# Altium PCB MC3.PcbDoc (part 2 of 4)
Units mil, origin at the board's own origin, x right, y up, seen from the top; angles counter-clockwise.
Board outline 10260 x 7630 mil, 2 copper layers (Top Layer, Bottom Layer), stack 61.756 mil thick; 351 components, 225 nets, 961 pads, 410 vias.
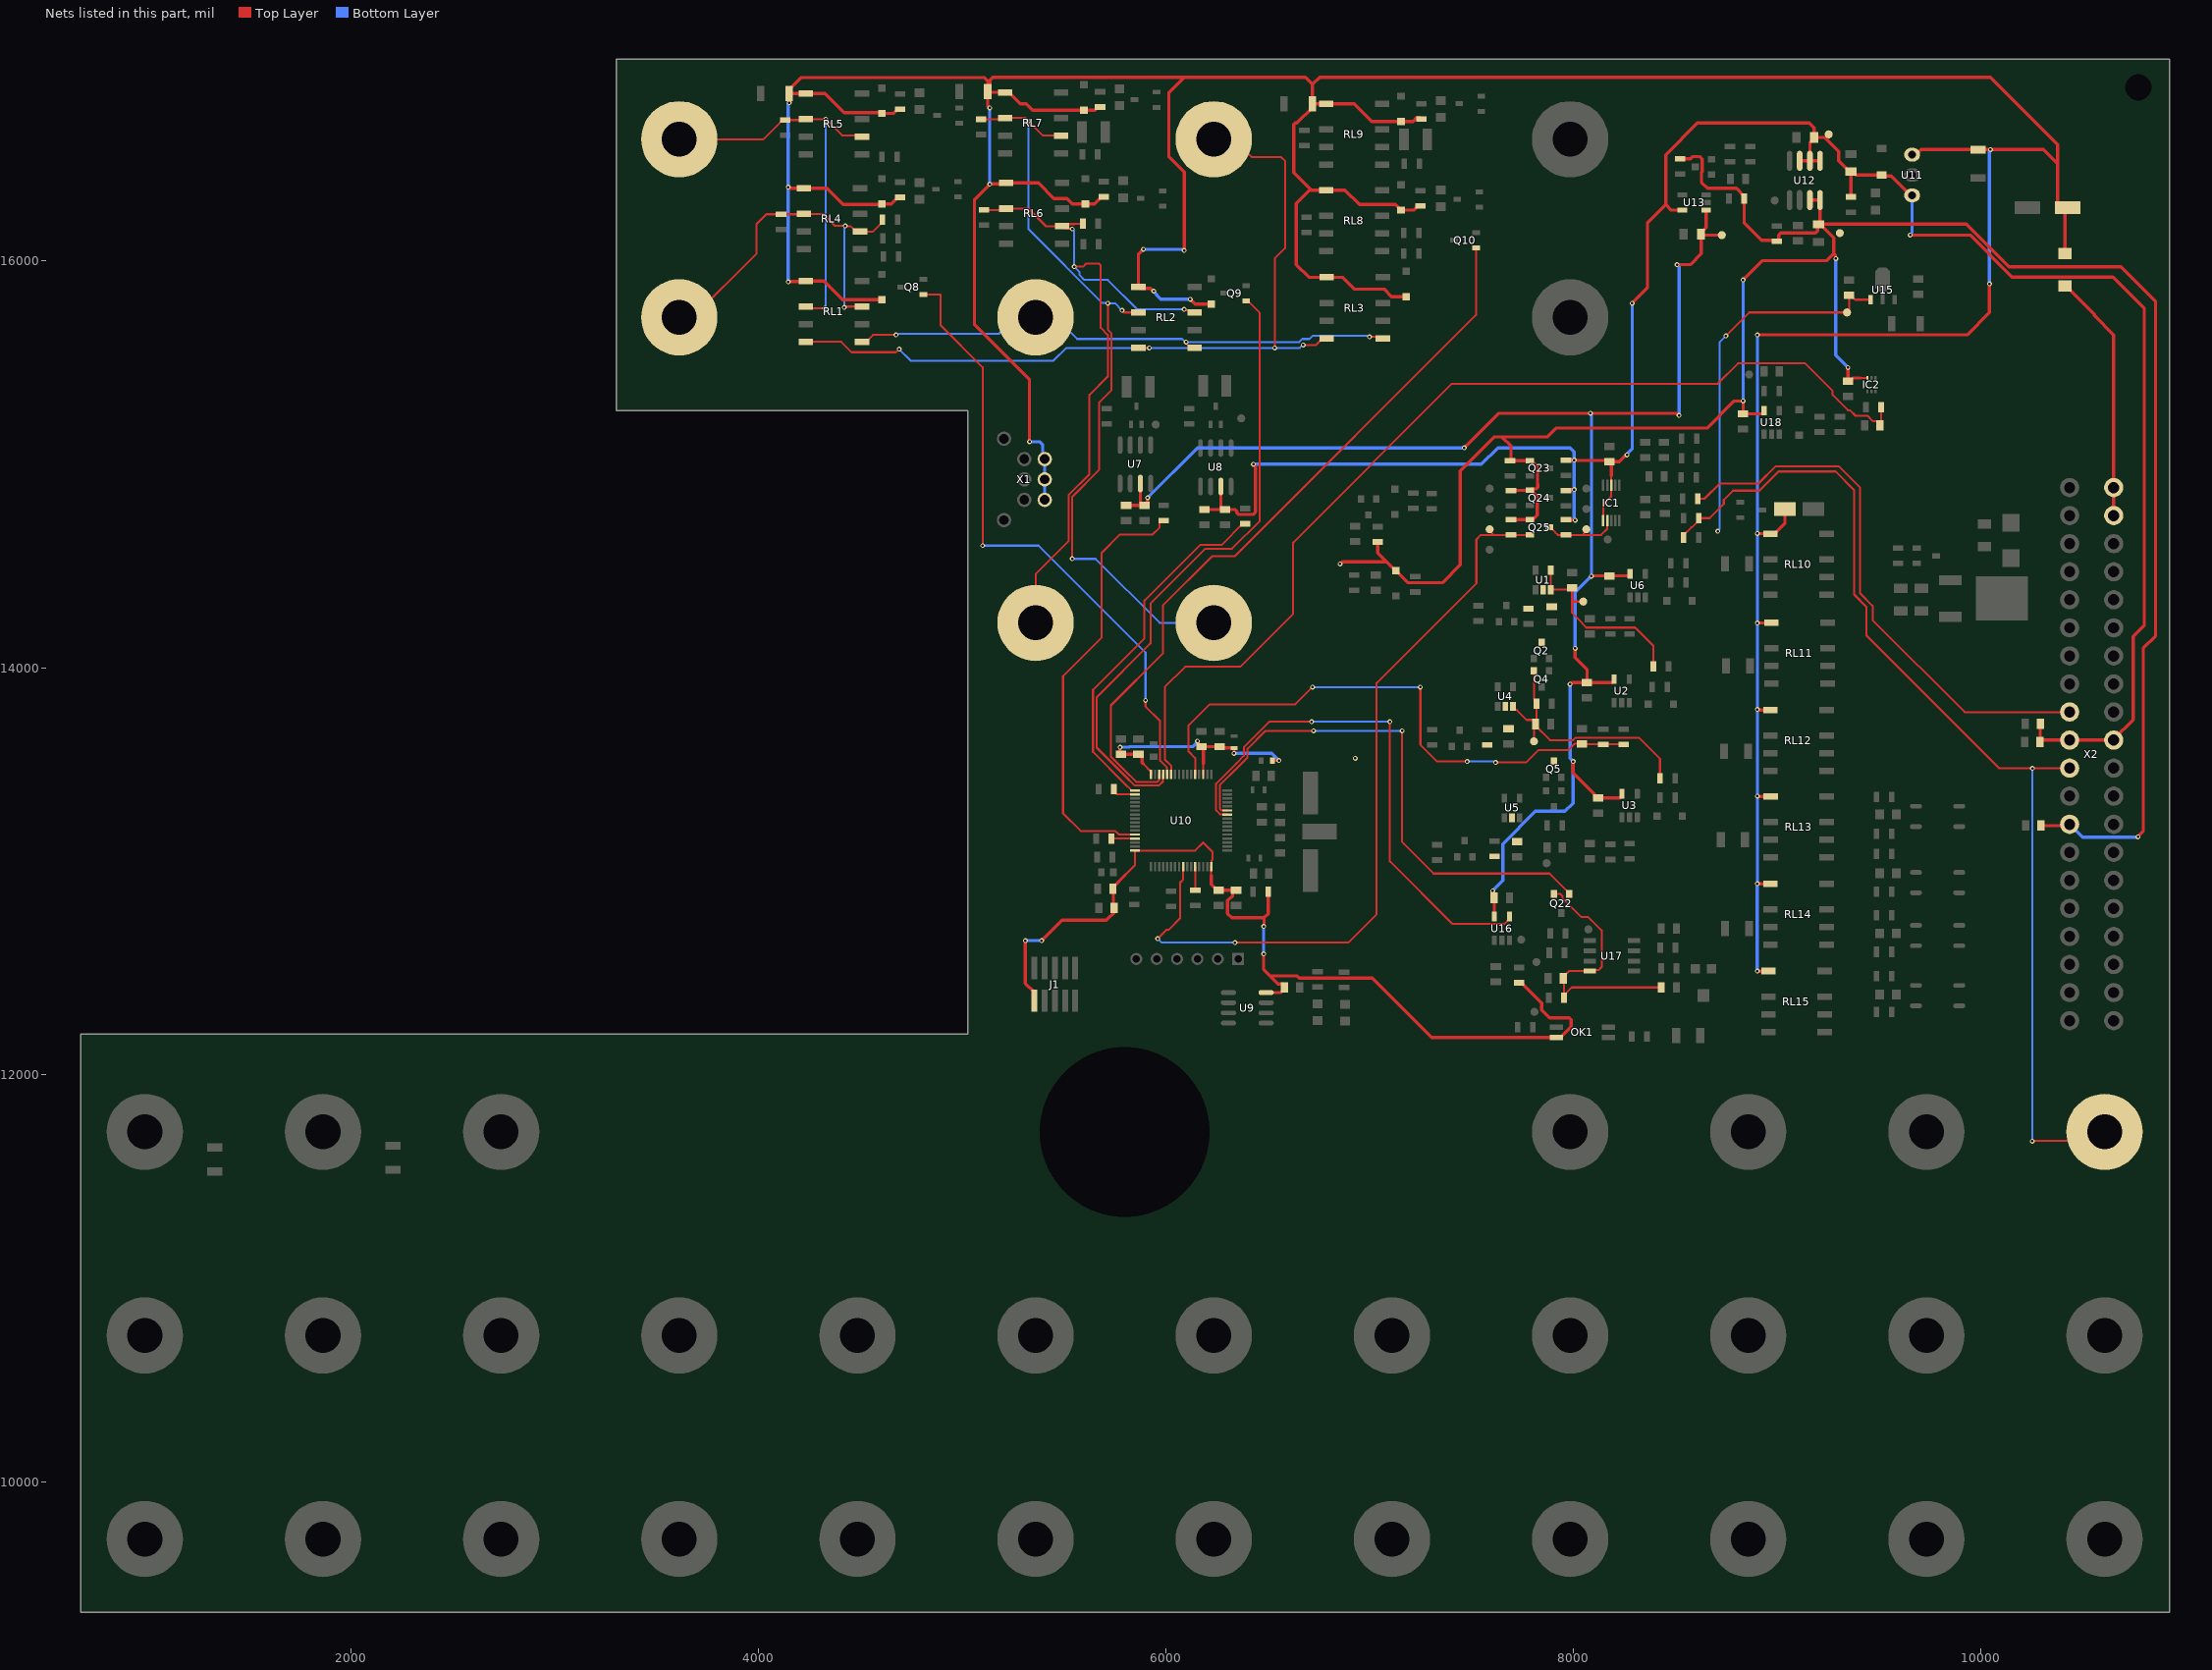
[diagram p2: the nets of this part, all layers, seen from the top]

## Part data (continued)
C34 C35: library part 08051A200JAT2A, "AVX - 08051A200JAT2A - CERAMIC CAPACITOR 20PF 100V, C0G, 5%, 0805, FULL REEL", Case Code (Imperial)=0805, Case Code (Metric)=2012, Dielectric=C0G, Manufacturer="Kyocera AVX", Max Operating Temperature=125°C, Min Operating Temperature=-55°C, Package Quantity=1, Supplier Part Number 1=581-08051A200JAT2A, Temperature Coefficient=30ppm/°C, Tolerance=5%, Voltage=100V, Capacitance=20pF, Case/Package=0805, Category="Ceramic Capacitors", ComponentLink1Description=https://datasheet.ciiva.com/11787/0900766b80def0e2-11787350.pdf?src-supplier=RSComponents, ComponentLink1URL=https://datasheet.ciiva.com/11787/0900766b80def0e2-11787350.pdf?src-supplier=RSComponents, ComponentLink2Description=https://datasheet.ciiva.com/26927/getdatasheetpartid-58326-26927326.pdf?src-supplier=Verical, ComponentLink2URL=https://datasheet.ciiva.com/26927/getdatasheetpartid-58326-26927326.pdf?src-supplier=Verical, ComponentLink3Description=https://datasheet.ciiva.com/11536/ccog-11536935.pdf?src-supplier=Avnet, ComponentLink3URL=https://datasheet.ciiva.com/11536/ccog-11536935.pdf?src-supplier=Avnet, ComponentLink4Description=https://datasheet.ciiva.com/151/ccog-151320.pdf?src-supplier=Digi-Key, ComponentLink4URL=https://datasheet.ciiva.com/151/ccog-151320.pdf?src-supplier=Digi-Key, ComponentLink5Description=https://datasheet.ciiva.com/151/ccog-151321.pdf?src-supplier=Digi-Key, ComponentLink5URL=https://datasheet.ciiva.com/151/ccog-151321.pdf?src-supplier=Digi-Key, ComponentLink6Description=https://datasheet.ciiva.com/28535/759117-28535065.pdf?src-supplier=Element14, ComponentLink6URL=https://datasheet.ciiva.com/28535/759117-28535065.pdf?src-supplier=Element14, ComponentLink7Description=https://datasheet.ciiva.com/151/ccog-151322.pdf?src-supplier=Digi-Key, ComponentLink7URL=https://datasheet.ciiva.com/151/ccog-151322.pdf?src-supplier=Digi-Key, ComponentLink8Description=https://datasheet.ciiva.com/14606/70001039-14606635.pdf?src-supplier=Allied+Electronics, ComponentLink8URL=https://datasheet.ciiva.com/14606/70001039-14606635.pdf?src-supplier=Allied+Electronics, ComponentLink9Description=https://datasheet.ciiva.com/14595/70001039-14595420.pdf?src-supplier=Allied+Electronics, ComponentLink9URL=https://datasheet.ciiva.com/14595/70001039-14595420.pdf?src-supplier=Allied+Electronics, ComponentLink10Description=https://datasheet.ciiva.com/2987/ccog-2987917.pdf?src-supplier=Avnet, ComponentLink10URL=https://datasheet.ciiva.com/2987/ccog-2987917.pdf?src-supplier=Avnet, ComponentLink11Description=https://datasheet.ciiva.com/17492/ccog-17492879.pdf?src-supplier=Avnet+Europe, ComponentLink11URL=https://datasheet.ciiva.com/17492/ccog-17492879.pdf?src-supplier=Avnet+Europe, Contact Plating=Tin,Matte, Depth=1.25mm, Dissipation Factor=10%, Height=940um, Lead Free="Lead Free", Length=2.01mm, Manufacturer Part Number=08051A200JAT2A, Mount="Surface Mount,PCB", Number of Pins=2, Packaging="Tape and Reel", Pricing 1="1=0.29000, 10=0.19900, 100=0.10000, 500=0.06900, 1000=0.06100, 2000=0.06100 (USD)", Radiation Hardening=No, REACH SVHC="No SVHC", RoHS=Yes, Stock 1=29281, Supplier 1=Mouser, Termination=SMD/SMT, Thickness=0.037inch, Voltage Rating=100V, Voltage Rating (DC)=100V, Width=1.25mm
C38 C45: library part C0603C105K8PACTU, "Cap Ceramic 1uF 10V X5R 10% SMD 0603 85°C Paper T/R", Capacitance=1uF, Case Code (Imperial)=0603, Case Code (Metric)=1608, Dielectric=X5R, Dielectric Material=Ceramic, Manufacturer=KEMET, Max Operating Temperature=85°C, Min Operating Temperature=-55°C, Package Quantity=1, Supplier Part Number 1=80-C0603C105K8P, Tolerance=10%, Voltage=10V, Case/Package=0603, Category="Ceramic Capacitors", ComponentLink1Description=https://datasheet.ciiva.com/11787/0900766b8116eb59-11787747.pdf?src-supplier=RSComponents, ComponentLink1URL=https://datasheet.ciiva.com/11787/0900766b8116eb59-11787747.pdf?src-supplier=RSComponents, ComponentLink2Description=https://datasheet.ciiva.com/7823/1929483-7823999.pdf?src-supplier=Element14, ComponentLink2URL=https://datasheet.ciiva.com/7823/1929483-7823999.pdf?src-supplier=Element14, ComponentLink3Description=https://datasheet.ciiva.com/6074/40889-6074647.pdf?src-supplier=Farnell, ComponentLink3URL=https://datasheet.ciiva.com/6074/40889-6074647.pdf?src-supplier=Farnell, ComponentLink4Description=https://datasheet.ciiva.com/28645/1831760-28645655.pdf?src-supplier=Element14, ComponentLink4URL=https://datasheet.ciiva.com/28645/1831760-28645655.pdf?src-supplier=Element14, ComponentLink5Description=https://datasheet.ciiva.com/26847/getdatasheetpartid-385480-26847548.pdf?src-supplier=Verical, ComponentLink5URL=https://datasheet.ciiva.com/26847/getdatasheetpartid-385480-26847548.pdf?src-supplier=Verical, ComponentLink6Description=https://datasheet.ciiva.com/7823/40889-7823998.pdf?src-supplier=Element14, ComponentLink6URL=https://datasheet.ciiva.com/7823/40889-7823998.pdf?src-supplier=Element14, Depth=0.8mm, Height=0.8mm, Lead Free="Lead Free", Length=1.6mm, Manufacturer Part Number=C0603C105K8PACTU, Mount="Surface Mount", Number of Pins=2, Packaging="Tape and Reel", Pricing 1="1=0.10000, 10=0.06100, 100=0.02700, 500=0.01900, 1000=0.01500, 4000=0.01100 (USD)", Radiation Hardening=No, REACH SVHC="No SVHC", RoHS=Yes, Stock 1=122683, Supplier 1=Mouser, Termination=SMD/SMT, Thickness=0.035inch, Voltage Rating=10V, Voltage Rating (DC)=10V, Weight=7.1E-05oz, Width=0.031inch
C43: library part C0603C475K9PACTU, "KEMET - C0603C475K9PACTU - KONDENSATOR, 4.7µF, 6.3V, 10%, X5R, 0603", Capacitance=4.7uF, Case Code (Imperial)=0603, Case Code (Metric)=1608, Dielectric=X5R, Dielectric Material=Ceramic, Manufacturer=KEMET, Max Operating Temperature=85°C, Min Operating Temperature=-55°C, Package Quantity=1, Supplier Part Number 1=80-C0603C475K9P, Tolerance=10%, Voltage=6.3V, Case/Package=0603, Category="Ceramic Capacitors", ComponentLink1Description=https://datasheet.ciiva.com/145/docfinderpartnumber-c0603c475k9pactu-145072.pdf?src-supplier=Digi-Key, ComponentLink1URL=https://datasheet.ciiva.com/145/docfinderpartnumber-c0603c475k9pactu-145072.pdf?src-supplier=Digi-Key, ComponentLink2Description=https://datasheet.ciiva.com/7823/1732700-7823808.pdf?src-supplier=Element14, ComponentLink2URL=https://datasheet.ciiva.com/7823/1732700-7823808.pdf?src-supplier=Element14, ComponentLink3Description=https://datasheet.ciiva.com/28682/1789732-28682301.pdf?src-supplier=Element14, ComponentLink3URL=https://datasheet.ciiva.com/28682/1789732-28682301.pdf?src-supplier=Element14, ComponentLink4Description=https://datasheet.ciiva.com/7824/40889-7824047.pdf?src-supplier=Element14, ComponentLink4URL=https://datasheet.ciiva.com/7824/40889-7824047.pdf?src-supplier=Element14, Contact Plating=Tin,Matte, Depth=0.8mm, Dissipation Factor=5%, Height=0.8mm, Lead Free="Lead Free", Lead Pitch=0.7mm, Length=1.6mm, Manufacturer Part Number=C0603C475K9PACTU, Mount="Surface Mount,PCB", Number of Pins=2, Packaging="Tape and Reel", Pricing 1="1=0.17000, 10=0.12000, 100=0.05600, 500=0.03900, 1000=0.03200, 4000=0.02400 (USD)", Radiation Hardening=No, REACH SVHC="No SVHC", RoHS=Yes, Stock 1=258514, Supplier 1=Mouser, Termination=SMD/SMT, Thickness=0.035inch, Voltage Rating=6.3V, Voltage Rating (DC)=6.3V, Width=0.031inch
C50: library part EEE-HA1H470XP, "EEE-HA Series 50 V 47 uF Ø 6.3 x 7.7 mm 105 °C SMT V-Chip Aluminum Electrolytic", Capacitance=47uF, Case/Package=Radial, Leakage Current=23.5uA, Manufacturer=Panasonic, Max Operating Temperature=105°C, Min Operating Temperature=-40°C, Package Quantity=900, Ripple Current=63mA, Supplier Part Number 1=667-EEE-HA1H470XP, Tolerance=20%, Voltage=50V, Category="Aluminum Electrolytic Capacitors", ComponentLink1Description=https://datasheet.ciiva.com/11777/0900766b8102e3f9-11777524.pdf?src-supplier=RSComponents, ComponentLink1URL=https://datasheet.ciiva.com/11777/0900766b8102e3f9-11777524.pdf?src-supplier=RSComponents, ComponentLink2Description=https://datasheet.ciiva.com/27052/1358776-27052072.pdf?src-supplier=Jameco, ComponentLink2URL=https://datasheet.ciiva.com/27052/1358776-27052072.pdf?src-supplier=Jameco, ComponentLink3Description=https://datasheet.ciiva.com/2983/aba0000ce3-2983989.pdf?src-supplier=Avnet, ComponentLink3URL=https://datasheet.ciiva.com/2983/aba0000ce3-2983989.pdf?src-supplier=Avnet, ComponentLink4Description=https://datasheet.ciiva.com/28691/1446029-28691286.pdf?src-supplier=Element14, ComponentLink4URL=https://datasheet.ciiva.com/28691/1446029-28691286.pdf?src-supplier=Element14, ComponentLink5Description=https://datasheet.ciiva.com/17536/aba0000ce3-17536201.pdf?src-supplier=Avnet+Europe, ComponentLink5URL=https://datasheet.ciiva.com/17536/aba0000ce3-17536201.pdf?src-supplier=Avnet+Europe, ComponentLink6Description=https://datasheet.ciiva.com/46387/1446029-46387354.pdf?src-supplier=Element14, ComponentLink6URL=https://datasheet.ciiva.com/46387/1446029-46387354.pdf?src-supplier=Element14, ComponentLink7Description=https://datasheet.ciiva.com/5949/1446029-5949851.pdf?src-supplier=Farnell, ComponentLink7URL=https://datasheet.ciiva.com/5949/1446029-5949851.pdf?src-supplier=Farnell, ComponentLink8Description=https://datasheet.ciiva.com/11675/aba0000ce3-11675947.pdf?src-supplier=Avnet, ComponentLink8URL=https://datasheet.ciiva.com/11675/aba0000ce3-11675947.pdf?src-supplier=Avnet, ComponentLink9Description=https://datasheet.ciiva.com/43459/1446029-43459867.pdf?src-supplier=Farnell, ComponentLink9URL=https://datasheet.ciiva.com/43459/1446029-43459867.pdf?src-supplier=Farnell, ComponentLink10Description=https://datasheet.ciiva.com/28691/1446029-28691277.pdf?src-supplier=Element14, ComponentLink10URL=https://datasheet.ciiva.com/28691/1446029-28691277.pdf?src-supplier=Element14, ComponentLink11Description=https://datasheet.ciiva.com/14605/70256712-14605119.pdf?src-supplier=Allied+Electronics, ComponentLink11URL=https://datasheet.ciiva.com/14605/70256712-14605119.pdf?src-supplier=Allied+Electronics, ComponentLink12Description=https://datasheet.ciiva.com/16433/aba0000ce3-16433439.pdf?src-supplier=Future+Electronics, ComponentLink12URL=https://datasheet.ciiva.com/16433/aba0000ce3-16433439.pdf?src-supplier=Future+Electronics, ComponentLink13Description=https://datasheet.ciiva.com/30227/33aba0000ce3-30227599.pdf?src-supplier=Onlinecomponents.com, ComponentLink13URL=https://datasheet.ciiva.com/30227/33aba0000ce3-30227599.pdf?src-supplier=Onlinecomponents.com, Contact Plating=Tin, Diameter=6.3mm, Height=7.7mm, Height - Seated (Max)=0.303inch, Lead Diameter=0.65mm, Lead Free="Lead Free", Lead Pitch=1.8mm, Length=8mm, Life (Hours)=1000Hour, Manufacturer Part Number=EEE-HA1H470XP, Mount="Surface Mount,PCB", Number of Pins=8, Packaging="Tape and Reel", Polarity=Polar, Pricing 1="1=0.50000, 10=0.34700, 100=0.11500, 900=0.10900, 1800=0.09700, 9900=0.08900 (USD)", Radiation Hardening=No, REACH SVHC="No SVHC", Ripple Current (AC)=63mA, RoHS=Yes, Stock 1=2923, Supplier 1=Mouser, Termination=SMD/SMT, Voltage Rating=50V, Voltage Rating (DC)=50V, Width=650um
C55: library part C0805C102K1RACTU, "MLCC, 1000 pF, - 10%, X7R, 100 V, 0805 [2012 Metric] RoHS Compliant: Yes", Capacitance=1nF, Case Code (Imperial)=0805, Case Code (Metric)=2012, Dielectric=X7R, Dielectric Material=Ceramic, Manufacturer=KEMET, Max Operating Temperature=125°C, Min Operating Temperature=-55°C, Package Quantity=1, Supplier Part Number 1=80-C0805C102K1R, Tolerance=10%, Voltage=100V, Case/Package=0805, Category="Ceramic Capacitors", ComponentLink1Description=https://datasheet.ciiva.com/26847/getdatasheetpartid-385636-26847782.pdf?src-supplier=Verical, ComponentLink1URL=https://datasheet.ciiva.com/26847/getdatasheetpartid-385636-26847782.pdf?src-supplier=Verical, ComponentLink2Description=https://datasheet.ciiva.com/5413/kem-c1002-x7r-smd-357932-5413784.pdf?src-supplier=Mouser, ComponentLink2URL=https://datasheet.ciiva.com/5413/kem-c1002-x7r-smd-357932-5413784.pdf?src-supplier=Mouser, ComponentLink3Description=https://datasheet.ciiva.com/14592/70095383-14592824.pdf?src-supplier=Allied+Electronics, ComponentLink3URL=https://datasheet.ciiva.com/14592/70095383-14592824.pdf?src-supplier=Allied+Electronics, ComponentLink4Description=https://datasheet.ciiva.com/7842/kem-c1002-x7r-smd-7842523.pdf?src-supplier=Element14, ComponentLink4URL=https://datasheet.ciiva.com/7842/kem-c1002-x7r-smd-7842523.pdf?src-supplier=Element14, ComponentLink5Description=https://datasheet.ciiva.com/14589/70095383-14589435.pdf?src-supplier=Allied+Electronics, ComponentLink5URL=https://datasheet.ciiva.com/14589/70095383-14589435.pdf?src-supplier=Allied+Electronics, ComponentLink6Description=https://datasheet.ciiva.com/7842/40889-7842157.pdf?src-supplier=Element14, ComponentLink6URL=https://datasheet.ciiva.com/7842/40889-7842157.pdf?src-supplier=Element14, ComponentLink7Description=https://datasheet.ciiva.com/5904/kem-c1002-x7r-smd-5904911.pdf?src-supplier=Farnell, ComponentLink7URL=https://datasheet.ciiva.com/5904/kem-c1002-x7r-smd-5904911.pdf?src-supplier=Farnell, ComponentLink8Description=https://datasheet.ciiva.com/22700/1851736-22700511.pdf?src-supplier=Element14, ComponentLink8URL=https://datasheet.ciiva.com/22700/1851736-22700511.pdf?src-supplier=Element14, Depth=1.25mm, Height=0.78mm, Lead Pitch=0.75mm, Length=2mm, Manufacturer Part Number=C0805C102K1RACTU, Mount="Surface Mount,PCB", Number of Pins=2, Packaging="Tape and Reel", Pricing 1="1=0.19000, 10=0.08200, 100=0.05400, 500=0.04300, 1000=0.03600, 4000=0.02000 (USD)", Radiation Hardening=No, REACH SVHC="No SVHC", RoHS=Yes, Stock 1=40129, Supplier 1=Mouser, Termination=SMD/SMT, Thickness=0.035inch, Voltage Rating=100V, Voltage Rating (DC)=100V, Width=0.049inch
C66 C67: library part C0805C223K5RAC, "KEMET 22nF Multilayer Ceramic Capacitor (MLCC) 50V dc 10% X7R dielectric max op. temp. 125C", Capacitance=22nF, Case Code (Imperial)=0805, Case Code (Metric)=2012, Dielectric=X7R, Dielectric Material=Ceramic, Manufacturer=KEMET, Max Operating Temperature=125°C, Min Operating Temperature=-55°C, Package Quantity=4000, Supplier Part Number 1=80-C0805C223K5RAC, Tolerance=10%, Voltage=50V, Case/Package=0805, Category="Ceramic Capacitors", ComponentLink1Description=https://datasheet.ciiva.com/13384/kem-c1002-x7r-smd-357932-13384791.pdf?src-supplier=Mouser, ComponentLink1URL=https://datasheet.ciiva.com/13384/kem-c1002-x7r-smd-357932-13384791.pdf?src-supplier=Mouser, ComponentLink2Description=https://datasheet.ciiva.com/14116/slceramic-chip-condensers-e-14116587.pdf?src-supplier=Distrelec, ComponentLink2URL=https://datasheet.ciiva.com/14116/slceramic-chip-condensers-e-14116587.pdf?src-supplier=Distrelec, Depth=1.25mm, Dissipation Factor=2.5%, Height=0.78mm, Lead Pitch=0.75mm, Length=2mm, Manufacturer Part Number=C0805C223K5RAC, Mount="Surface Mount", Packaging="Tape and Reel", Pricing 1="1=0.10000, 10=0.04800, 100=0.02400, 500=0.01900, 1000=0.01500, 4000=0.01000 (USD)", RoHS=Yes, Stock 1=100569, Supplier 1=Mouser, Termination=SMD/SMT, Voltage Rating=50V, Voltage Rating (DC)=50V, Width=1.2mm
C70 C71: library part C0603C225K4PACTU, "KEMET - C0603C225K4PACTU - CAP, MLCC, X5R, 2.2UF, 16V, 0603", Capacitance=2.2uF, Case Code (Imperial)=0603, Case Code (Metric)=1608, Dielectric=X5R, Dielectric Material=Ceramic, Manufacturer=KEMET, Max Operating Temperature=85°C, Min Operating Temperature=-55°C, Package Quantity=1, Supplier Part Number 1=80-C0603C225K4P, Tolerance=10%, Voltage=16V, Case/Package=0603, Category="Ceramic Capacitors", ComponentLink1Description=https://datasheet.ciiva.com/5969/1776083-5969304.pdf?src-supplier=Farnell, ComponentLink1URL=https://datasheet.ciiva.com/5969/1776083-5969304.pdf?src-supplier=Farnell, ComponentLink2Description=https://datasheet.ciiva.com/7823/1776083-7823706.pdf?src-supplier=Element14, ComponentLink2URL=https://datasheet.ciiva.com/7823/1776083-7823706.pdf?src-supplier=Element14, Contact Plating=Tin,Matte, Depth=0.8mm, Dissipation Factor=5%, Height=0.8mm, Lead Free="Lead Free", Length=1.6mm, Manufacturer Part Number=C0603C225K4PACTU, Mount="Surface Mount", Number of Pins=2, Packaging="Tape and Reel", Pricing 1="1=0.14000, 10=0.10300, 100=0.04800, 500=0.03400, 1000=0.02800, 4000=0.02000 (USD)", Radiation Hardening=No, REACH SVHC="No SVHC", RoHS=Yes, Stock 1=77579, Supplier 1=Mouser, Termination=SMD/SMT, Thickness=0.034inch, Voltage Rating=16V, Voltage Rating (DC)=16V, Width=0.8mm
D1 D2 D3 D4 D5 D6 D7 D9 D10 D11 D12 D13 D14 D15 D20: "DIODE GEN PURP 100V 300MA SOD123", Average Rectified Current=300mA, Capacitance=2pF, Current=15A, Current Rating=150mA, Forward Voltage=1.25V, Manufacturer=Diodes, Max Forward Surge Current (Ifsm)=2A, Max Operating Temperature=150°C, Max Repetitive Reverse Voltage (Vrrm)=100V, Min Operating Temperature=-65°C, Package Quantity=3000, Peak Reverse Current=1uA, Power Dissipation=400mW, Supplier Part Number 1=621-1N4148W-F, Voltage Rating (DC)=75V, Category="Rectifier Diodes", ComponentLink1Description=https://datasheet.ciiva.com/4435/ds30086-4435128.pdf?src-supplier=Mouser, ComponentLink1URL=https://datasheet.ciiva.com/4435/ds30086-4435128.pdf?src-supplier=Mouser, ComponentLink2Description=https://datasheet.ciiva.com/8300/ds30086-8300392.pdf?src-supplier=Avnet, ComponentLink2URL=https://datasheet.ciiva.com/8300/ds30086-8300392.pdf?src-supplier=Avnet, ComponentLink3Description=https://datasheet.ciiva.com/911/ds30086-911734.pdf?src-supplier=Digi-Key, ComponentLink3URL=https://datasheet.ciiva.com/911/ds30086-911734.pdf?src-supplier=Digi-Key, ComponentLink4Description=https://datasheet.ciiva.com/911/ds30086-911735.pdf?src-supplier=Digi-Key, ComponentLink4URL=https://datasheet.ciiva.com/911/ds30086-911735.pdf?src-supplier=Digi-Key, ComponentLink5Description=https://datasheet.ciiva.com/22695/1915529-22695239.pdf?src-supplier=Element14, ComponentLink5URL=https://datasheet.ciiva.com/22695/1915529-22695239.pdf?src-supplier=Element14, ComponentLink6Description=https://datasheet.ciiva.com/911/ds30086-911736.pdf?src-supplier=Digi-Key, ComponentLink6URL=https://datasheet.ciiva.com/911/ds30086-911736.pdf?src-supplier=Digi-Key, ComponentLink7Description=https://datasheet.ciiva.com/1179/1915529-1179304.pdf?src-supplier=Element14, ComponentLink7URL=https://datasheet.ciiva.com/1179/1915529-1179304.pdf?src-supplier=Element14, ComponentLink8Description=https://datasheet.ciiva.com/25919/ds30086-25919609.pdf?src-supplier=Avnet+Europe, ComponentLink8URL=https://datasheet.ciiva.com/25919/ds30086-25919609.pdf?src-supplier=Avnet+Europe, ComponentLink9Description=https://datasheet.ciiva.com/15219/getdatasheetpartid-110030-15219548.pdf?src-supplier=Verical, ComponentLink9URL=https://datasheet.ciiva.com/15219/getdatasheetpartid-110030-15219548.pdf?src-supplier=Verical, ComponentLink10Description=https://datasheet.ciiva.com/8303/ds30086-8303197.pdf?src-supplier=Avnet, ComponentLink10URL=https://datasheet.ciiva.com/8303/ds30086-8303197.pdf?src-supplier=Avnet, Contact Plating=Tin,Matte, Element Configuration=Single, Forward Current=150mA, Height=1.25mm, Lead Free="Lead Free", Length=2.85mm, Manufacturer Part Number=1N4148W-7-F, Max Reverse Voltage (DC)=100V, Max Surge Current=2A, Mount="Surface Mount", Number of Pins=2, Output Current=150mA, Packaging="Tape and Reel", Peak Non-Repetitive Surge Current=2A, Polarity=Standard, Power Rating=400mW, Pricing 1="1=0.16000, 10=0.15000, 100=0.05300, 1000=0.03500, 3000=0.02700, 9000=0.02400 (USD)", Radiation Hardening=No, REACH SVHC="No SVHC", Recovery Time=4ns, Reverse Recovery Time=4ns, RoHS=Yes, Stock 1=1274151, Supplier 1=Mouser, Voltage=100V, Weight=0.000353oz, Width=1.7mm
D8: library part STPS340UY, "DIODE SCHOTTKY 40V 3A SMB", Average Rectified Current=3A, Case/Package=SMB, Forward Voltage=840mV, Manufacturer=STMicroelectronics, Max Operating Temperature=150°C, Max Repetitive Reverse Voltage (Vrrm)=40V, Max Reverse Leakage Current=10mA, Max Surge Current=75A, Min Operating Temperature=-40°C, Package Quantity=1, Peak Reverse Current=20uA, Supplier Part Number 1=511-STPS340UY, Category="Rectifier Diodes", ComponentLink1Description=https://datasheet.ciiva.com/25949/cd00270569-25949389.pdf?src-supplier=Avnet+Europe, ComponentLink1URL=https://datasheet.ciiva.com/25949/cd00270569-25949389.pdf?src-supplier=Avnet+Europe, ComponentLink2Description=https://datasheet.ciiva.com/13083/cd00270569-13083318.pdf?src-supplier=Mouser, ComponentLink2URL=https://datasheet.ciiva.com/13083/cd00270569-13083318.pdf?src-supplier=Mouser, ComponentLink3Description=https://datasheet.ciiva.com/6381/cd00270569-6381594.pdf?src-supplier=Digi-Key, ComponentLink3URL=https://datasheet.ciiva.com/6381/cd00270569-6381594.pdf?src-supplier=Digi-Key, ComponentLink4Description=https://datasheet.ciiva.com/6381/cd00270569-6381595.pdf?src-supplier=Digi-Key, ComponentLink4URL=https://datasheet.ciiva.com/6381/cd00270569-6381595.pdf?src-supplier=Digi-Key, ComponentLink5Description=https://datasheet.ciiva.com/6381/cd00270569-6381596.pdf?src-supplier=Digi-Key, ComponentLink5URL=https://datasheet.ciiva.com/6381/cd00270569-6381596.pdf?src-supplier=Digi-Key, Datasheet Link=https://ms.componentsearchengine.com/Datasheets/2/STPS340UY.pdf, Element Configuration=Single, Forward Current=3A, Height=2.65mm, Lead Free="Lead Free", Manufacturer Part Number=STPS340UY, Manufacturer_Name=STMicroelectronics, Manufacturer_Part_Number=STPS340UY, Max Reverse Voltage (DC)=40V, Mount="Surface Mount", Number of Pins=2, Packaging="Tape and Reel", Peak Non-Repetitive Surge Current=75A, Pricing 1="1=0.76000, 10=0.62700, 100=0.40400, 1000=0.32400, 2500=0.27300, 10000=0.26300, 25000=0.25300, 50000=0.24900, 100000=0.24300 (USD)", Radiation Hardening=No, RoHS=Yes, Stock 1=8864, Supplier 1=Mouser
D16: "DIODE GEN PURP 200V 1A SMA", Average Rectified Current=1A, Case/Package=SMA, Forward Voltage=970mV, Manufacturer=STMicroelectronics, Max Operating Temperature=175°C, Max Repetitive Reverse Voltage (Vrrm)=200V, Max Reverse Leakage Current=25uA, Min Operating Temperature=-40°C, Package Quantity=5000, Peak Non-Repetitive Surge Current=40A, Peak Reverse Current=1uA, Supplier Part Number 1=511-STTH102AY, Category="Rectifier Diodes", ComponentLink1Description=https://datasheet.ciiva.com/12327/cd00285726-211663-12327361.pdf?src-supplier=Mouser, ComponentLink1URL=https://datasheet.ciiva.com/12327/cd00285726-211663-12327361.pdf?src-supplier=Mouser, ComponentLink2Description=https://datasheet.ciiva.com/25949/cd00285726-25949278.pdf?src-supplier=Avnet+Europe, ComponentLink2URL=https://datasheet.ciiva.com/25949/cd00285726-25949278.pdf?src-supplier=Avnet+Europe, ComponentLink3Description=https://datasheet.ciiva.com/915/cd00285726-915840.pdf?src-supplier=Digi-Key, ComponentLink3URL=https://datasheet.ciiva.com/915/cd00285726-915840.pdf?src-supplier=Digi-Key, ComponentLink4Description=https://datasheet.ciiva.com/915/cd00285726-915841.pdf?src-supplier=Digi-Key, ComponentLink4URL=https://datasheet.ciiva.com/915/cd00285726-915841.pdf?src-supplier=Digi-Key, ComponentLink5Description=https://datasheet.ciiva.com/915/cd00285726-915842.pdf?src-supplier=Digi-Key, ComponentLink5URL=https://datasheet.ciiva.com/915/cd00285726-915842.pdf?src-supplier=Digi-Key, Element Configuration=Single, Forward Current=1A, Lead Free="Lead Free", Manufacturer Part Number=STTH102AY, Max Reverse Voltage (DC)=200V, Mount="Surface Mount", Number of Pins=2, Packaging="Tape and Reel", Pricing 1="1=0.51000, 10=0.38600, 100=0.20900, 1000=0.15700, 5000=0.13500, 10000=0.12700 (USD)", Radiation Hardening=No, Recovery Time=20ns, Reverse Recovery Time=20ns, RoHS=Yes, Stock 1=13440, Supplier 1=Mouser
D17: "DIODE SCHOTTKY 100V 2A SMA", Average Rectified Current=2A, Case/Package=SMA, Forward Voltage=650mV, Manufacturer=STMicroelectronics, Max Forward Surge Current (Ifsm)=75A, Max Operating Temperature=175°C, Max Repetitive Reverse Voltage (Vrrm)=100V, Max Reverse Leakage Current=1uA, Min Operating Temperature=-65°C, Package Quantity=5000, Supplier Part Number 1=511-STPS2H100A, Category="Schottky Diodes", ComponentLink1Description=https://datasheet.ciiva.com/14178/cd00001548-14178421.pdf?src-supplier=Distrelec, ComponentLink1URL=https://datasheet.ciiva.com/14178/cd00001548-14178421.pdf?src-supplier=Distrelec, ComponentLink2Description=https://datasheet.ciiva.com/26788/stps2h100a-26788632.pdf?src-supplier=IIIC, ComponentLink2URL=https://datasheet.ciiva.com/26788/stps2h100a-26788632.pdf?src-supplier=IIIC, ComponentLink3Description=https://datasheet.ciiva.com/916/cd00001548-916177.pdf?src-supplier=Digi-Key, ComponentLink3URL=https://datasheet.ciiva.com/916/cd00001548-916177.pdf?src-supplier=Digi-Key, ComponentLink4Description=https://datasheet.ciiva.com/916/cd00001548-916178.pdf?src-supplier=Digi-Key, ComponentLink4URL=https://datasheet.ciiva.com/916/cd00001548-916178.pdf?src-supplier=Digi-Key, ComponentLink5Description=https://datasheet.ciiva.com/916/cd00001548-916179.pdf?src-supplier=Digi-Key, ComponentLink5URL=https://datasheet.ciiva.com/916/cd00001548-916179.pdf?src-supplier=Digi-Key, ComponentLink6Description=https://datasheet.ciiva.com/7963/1724011-7963926.pdf?src-supplier=Element14, ComponentLink6URL=https://datasheet.ciiva.com/7963/1724011-7963926.pdf?src-supplier=Element14, ComponentLink7Description=https://datasheet.ciiva.com/7963/1724011-7963927.pdf?src-supplier=Element14, ComponentLink7URL=https://datasheet.ciiva.com/7963/1724011-7963927.pdf?src-supplier=Element14, ComponentLink8Description=https://datasheet.ciiva.com/16394/cd00001548-16394856.pdf?src-supplier=Future+Electronics, ComponentLink8URL=https://datasheet.ciiva.com/16394/cd00001548-16394856.pdf?src-supplier=Future+Electronics, Contact Plating=Tin,Matte, Current Rating=2A, Element Configuration=Single, Forward Current=2A, Height=2.03mm, Lead Free="Lead Free", Length=4.6mm, Manufacturer Part Number=STPS2H100A, Max Reverse Voltage (DC)=100V, Max Surge Current=75A, Mount="Surface Mount", Number of Pins=2, Output Current=2A, Packaging="Tape and Reel", Peak Non-Repetitive Surge Current=75A, Peak Reverse Current=1uA, Polarity=Standard, Pricing 1="1=0.45000, 10=0.36600, 100=0.22300, 1000=0.17300, 5000=0.14700, 10000=0.13700 (USD)", Radiation Hardening=No, REACH SVHC="No SVHC", RoHS=Yes, Stock 1=26018, Supplier 1=Mouser, Voltage Rating (DC)=100V, Weight=0.01lb, Width=2.95mm
D18: "DIODE ZENER 5.6V 500MW SOD123", Breakdown Voltage=5.88V, Case/Package=SOD-123-2, Forward Voltage=900mV, Manufacturer="ON Semiconductor", Max Operating Temperature=150°C, Max Power Dissipation=500mW, Max Reverse Leakage Current=10uA, Min Operating Temperature=-55°C, Package Quantity=1, Peak Reverse Current=50uA, Supplier Part Number 1=863-MMSZ4690T1G, Tolerance=5%, Voltage Rating (DC)=5.6V, Category="Zener Diodes", ComponentLink1Description=https://datasheet.ciiva.com/894/mmsz4678t1-d-894880.pdf?src-supplier=Avnet, ComponentLink1URL=https://datasheet.ciiva.com/894/mmsz4678t1-d-894880.pdf?src-supplier=Avnet, ComponentLink2Description=https://datasheet.ciiva.com/27056/2011678-27056166.pdf?src-supplier=Jameco, ComponentLink2URL=https://datasheet.ciiva.com/27056/2011678-27056166.pdf?src-supplier=Jameco, ComponentLink3Description=https://datasheet.ciiva.com/26092/mmsz4678t1-d-26092599.pdf?src-supplier=Avnet+Europe, ComponentLink3URL=https://datasheet.ciiva.com/26092/mmsz4678t1-d-26092599.pdf?src-supplier=Avnet+Europe, ComponentLink4Description=https://datasheet.ciiva.com/894/mmsz4678t1-d-894968.pdf?src-supplier=Digi-Key, ComponentLink4URL=https://datasheet.ciiva.com/894/mmsz4678t1-d-894968.pdf?src-supplier=Digi-Key, ComponentLink5Description=https://datasheet.ciiva.com/894/mmsz4678t1-d-894969.pdf?src-supplier=Digi-Key, ComponentLink5URL=https://datasheet.ciiva.com/894/mmsz4678t1-d-894969.pdf?src-supplier=Digi-Key, ComponentLink6Description=https://datasheet.ciiva.com/894/mmsz4678t1-d-894970.pdf?src-supplier=Digi-Key, ComponentLink6URL=https://datasheet.ciiva.com/894/mmsz4678t1-d-894970.pdf?src-supplier=Digi-Key, ComponentLink7Description=https://datasheet.ciiva.com/22747/1796559-22747883.pdf?src-supplier=Element14, ComponentLink7URL=https://datasheet.ciiva.com/22747/1796559-22747883.pdf?src-supplier=Element14, ComponentLink8Description=https://datasheet.ciiva.com/8346/mmsz4678t1-d-8346092.pdf?src-supplier=Avnet, ComponentLink8URL=https://datasheet.ciiva.com/8346/mmsz4678t1-d-8346092.pdf?src-supplier=Avnet, ComponentLink9Description=https://datasheet.ciiva.com/16473/mmsz4678t1-d-16473372.pdf?src-supplier=Avnet+Asia, ComponentLink9URL=https://datasheet.ciiva.com/16473/mmsz4678t1-d-16473372.pdf?src-supplier=Avnet+Asia, ComponentLink10Description=https://datasheet.ciiva.com/18435/70099545-18435389.pdf?src-supplier=Allied+Electronics, ComponentLink10URL=https://datasheet.ciiva.com/18435/70099545-18435389.pdf?src-supplier=Allied+Electronics, ComponentLink11Description=https://datasheet.ciiva.com/16205/mmsz4678t1-d-16205902.pdf?src-supplier=Future+Electronics, ComponentLink11URL=https://datasheet.ciiva.com/16205/mmsz4678t1-d-16205902.pdf?src-supplier=Future+Electronics, Contact Plating=Tin,Matte, Element Configuration=Single, ESD Protection=Yes, Height=0.053inch, Lead Free="Lead Free", Length=0.111inch, Manufacturer Part Number=MMSZ4690T1G, Material=Plastic, Number of Pins=2, Packaging="Tape and Reel", Power Dissipation=500mW, Power Rating=500mW, Pricing 1="1=0.20000, 10=0.18900, 100=0.06600, 1000=0.04400, 3000=0.03300, 9000=0.02900 (USD)", Radiation Hardening=No, REACH SVHC="No SVHC", RoHS=Yes, Stock 1=89928, Supplier 1=Mouser, Test Current=50uA, Voltage Tolerance=5%, Width=0.071inch, Working Voltage=5.6V, Zener Current=50uA, Zener Voltage=5.6V